# KiCad board jetson-orin-baseboard.kicad_pcb
title: Jetson Orin Baseboard; date: 2025-03-12; rev: 1.3.4; company: Antmicro Ltd; note: www.antmicro.com
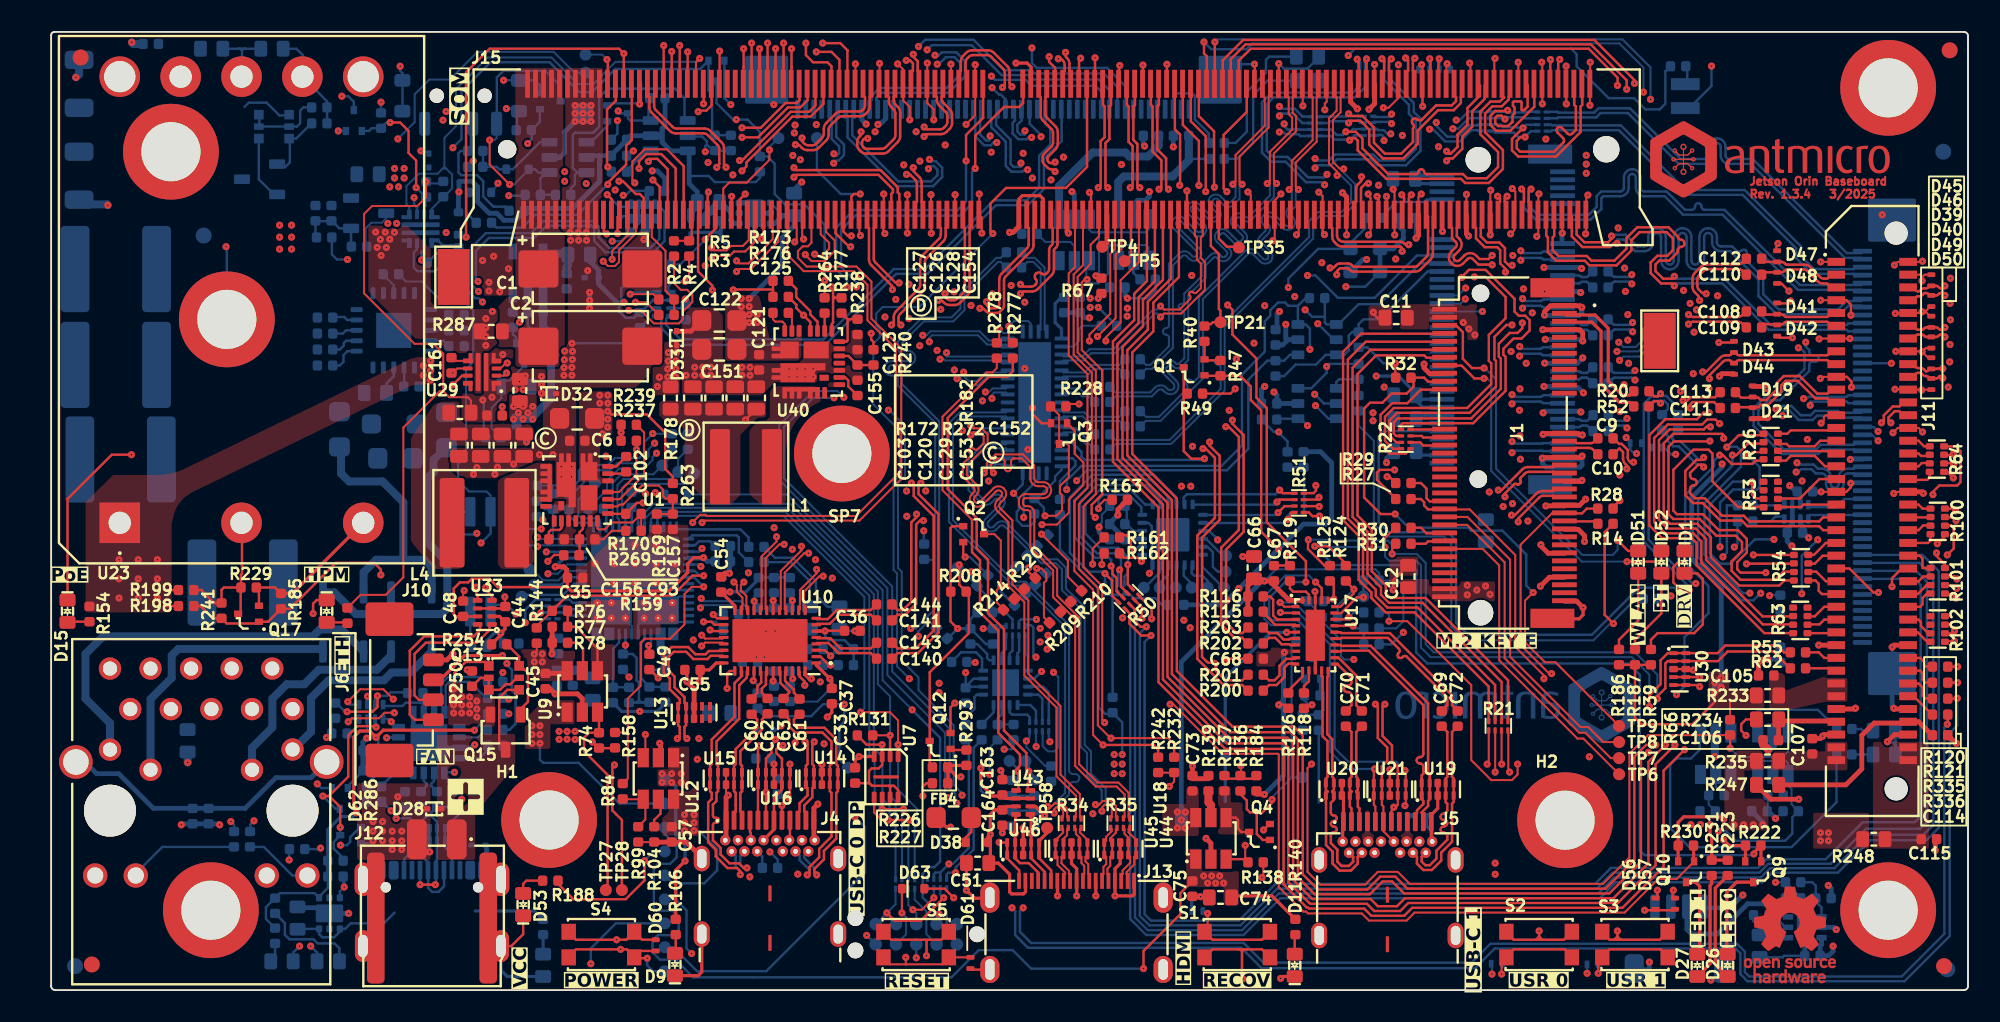
[diagram p0: board, top side]
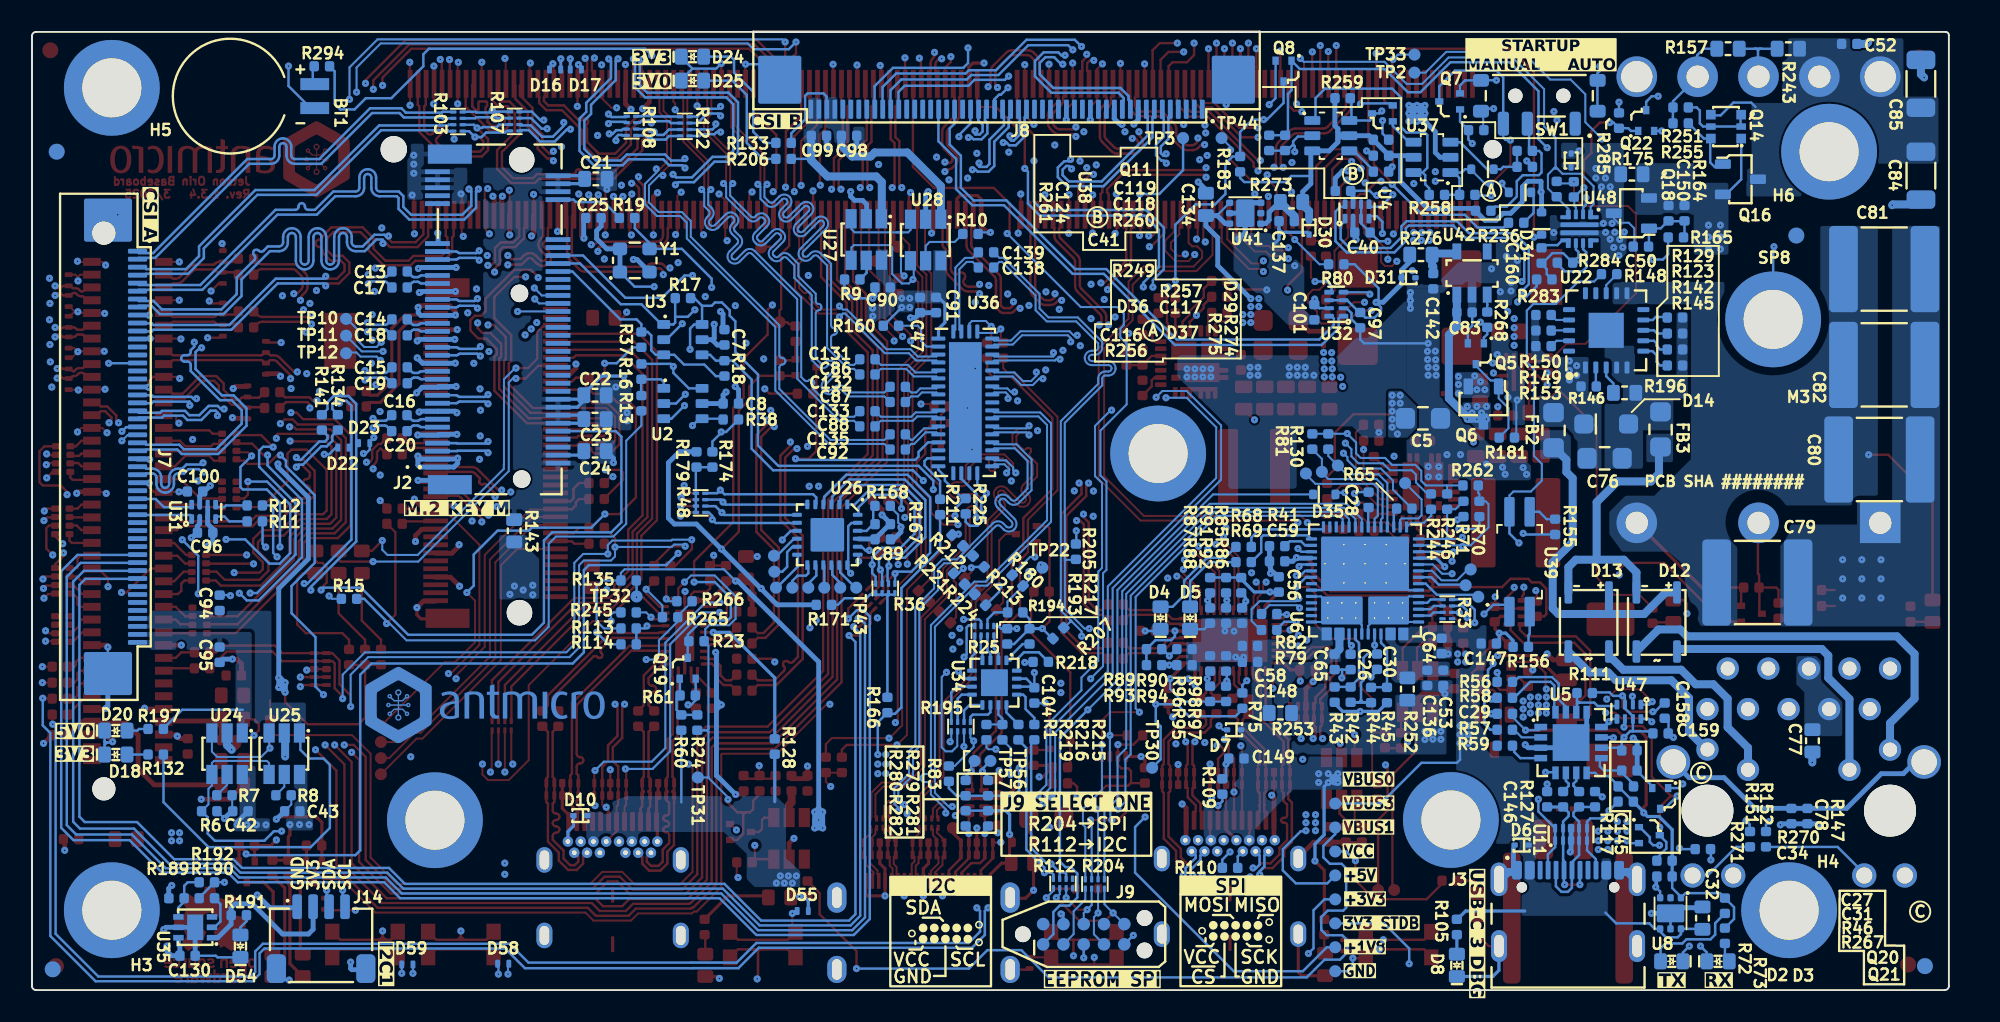
[diagram p1: board, bottom side, seen from below]

Outline 120 x 60 mm; copper layers: Top, In1.Cu, In2.Cu, In3.Cu, In4.Cu, In5.Cu, In6.Cu, Bottom. Coordinates in mm from the lower left corner of the outline.
Outline path: 0,59.8 arc(0.06,59.94) 0.2,60 119.75,60 arc(119.93,59.93) 120,59.75 120,0.25 arc(119.93,0.07) 119.75,0 0.25,0 arc(0.07,0.07) 0,0.25 0,59.8
Stack: Top 0.035mm / dielectric 0.12mm PR2116 er 4.3 / In1.Cu 0.035mm / dielectric 0.2mm FR4 er 4.39 / In2.Cu 0.035mm / dielectric 0.12mm PR2116 er 4.39 / dielectric 0.12mm PR2116 er 4.39 / In3.Cu 0.035mm / dielectric 0.2mm FR4 er 4.39 / In4.Cu 0.035mm / dielectric 0.12mm PR2116 er 4.39 / dielectric 0.12mm PR2116 er 4.39 / In5.Cu 0.035mm / dielectric 0.2mm FR4 er 4.39 / In6.Cu 0.035mm / dielectric 0.12mm PR2116 er 4.3 / Bottom 0.035mm

## Placement (name value [footprint] x y rotation side)
A2  -  [Mech_M2_2242_H2.5mm]  49.5 33.6 90 top  (not fitted)
BT1  Battery_Holder_MS621FE-FL11E  [MS621FE-FL11E]  106.35 55.98 270 bottom
C1  C_Pol_100u_25V_KEMET-T521-D-107  [C_Pol_EIA-X]  33.76 45.16 0 top
C2  C_Pol_100u_25V_KEMET-T521-D-107  [C_Pol_EIA-X]  33.76 40.32 0 top
C5  C_22u_25V_0805  [C_0805_2012Metric]  32.92 35.8 0 bottom
C6  C_100n_0402  [C_0402_1005Metric]  32.94 34.4 180 top
C7  C_100n_0402  [C_0402_1005Metric]  76.65 40.88 90 bottom
C8  C_100n_0402  [C_0402_1005Metric]  76.25 36.73 180 bottom
C9  C_220n_0402  [C_0402_1005Metric]  97.3 34.55 180 top
C10  C_220n_0402  [C_0402_1005Metric]  97.3 33.55 180 top
C11  C_10u_0603  [C_0603_1608Metric]  84.2 42.1 180 top
C12  C_10u_0603  [C_0603_1608Metric]  84.95 25.9 90 top
C13  C_220n_0402  [C_0402_1005Metric]  96.98 45 0 bottom
C14  C_220n_0402  [C_0402_1005Metric]  96.98 42 0 bottom
C15  C_220n_0402  [C_0402_1005Metric]  96.98 39 0 bottom
C16  C_220n_0402  [C_0402_1005Metric]  97 36 0 bottom
C17  C_220n_0402  [C_0402_1005Metric]  96.98 44 0 bottom
C18  C_220n_0402  [C_0402_1005Metric]  96.98 41 0 bottom
C19  C_220n_0402  [C_0402_1005Metric]  96.98 38 0 bottom
C20  C_220n_0402  [C_0402_1005Metric]  97 35 0 bottom
C21  C_10u_0603  [C_0603_1608Metric]  84.7 50.8 180 bottom
C22  C_10u_0603  [C_0603_1608Metric]  84.75 37.25 180 bottom
C23  C_10u_0603  [C_0603_1608Metric]  84.75 35.75 180 bottom
C24  C_10u_0603  [C_0603_1608Metric]  84.75 33.75 180 bottom
C25  C_100n_0402  [C_0402_1005Metric]  84.85 48.35 0 bottom
C26  C_100n_0402  [C_0402_1005Metric]  37.45 20.55 270 bottom
C27  C_100n_0402  [C_0402_1005Metric]  20 15 180 bottom
C28  C_10u_0402  [C_0402_1005Metric]  36.33 30.7 270 bottom
C29  C_100n_0402  [C_0402_1005Metric]  27.8 17.3 0 bottom
C30  C_10u_0402  [C_0402_1005Metric]  35.8 20.56 90 bottom
C31  C_100n_0402  [C_0402_1005Metric]  20 13.75 180 bottom
C32  C_10u_25V_0603  [C_0603_1608Metric]  15.42 4.5 90 bottom
C33  C_100n_0402  [C_0402_1005Metric]  50.33 13.44 270 top
C34  C_10u_0402  [C_0402_1005Metric]  17.8 7.11 180 bottom
C35  C_10u_0402  [C_0402_1005Metric]  32.8 25.83 180 top
C36  C_100n_0402  [C_0402_1005Metric]  50.15 22.5 0 top
C37  C_100n_0402  [C_0402_1005Metric]  48.87 18.41 270 top
C40  C_100n_0402  [C_0402_1005Metric]  36.71 47.44 180 bottom
C41  C_100n_0402  [C_0402_1005Metric]  37.93 50.04 180 bottom
C42  C_100n_0402  [C_0402_1005Metric]  106.95 11.2 0 bottom
C43  C_100n_0402  [C_0402_1005Metric]  103.7 11.2 0 bottom
C44  C_100n_0402  [C_0402_1005Metric]  28.43 23.54 90 top
C45  C_100n_0402  [C_0402_1005Metric]  30.95 19.35 270 top
C47  C_1u_0402  [C_0402_1005Metric]  64.4 42.9 90 bottom
C48  C_100n_0402  [C_0402_1005Metric]  25.79 23.88 270 top
C49  C_10u_0402  [C_0402_1005Metric]  37.45 20.55 90 top
C50  C_100n_0402  [C_0402_1005Metric]  19.28 46.56 0 bottom
C51  C_10u_0603  [C_0603_1608Metric]  58 7.95 180 top
C52  C_100n_0402  [C_0402_1005Metric]  6.23 59.25 180 bottom
C53  C_100n_0402  [C_0402_1005Metric]  31.65 19.55 270 bottom
C54  C_100n_0402  [C_0402_1005Metric]  41.95 25.4 90 top
C55  C_100n_0402  [C_0402_1005Metric]  40.15 20.05 180 top
C56  C_10u_0402  [C_0402_1005Metric]  41.95 25.4 270 bottom
C57  C_100n_0402  [C_0402_1005Metric]  38.85 9.75 270 top
C58  C_100n_0402  [C_0402_1005Metric]  43.75 21.55 0 bottom
C59  C_10u_0402  [C_0402_1005Metric]  42.05 26.85 0 bottom
C60  C_100n_0402  [C_0402_1005Metric]  43.85 17.75 270 top
C61  C_100n_0402  [C_0402_1005Metric]  46.85 17.75 270 top
C62  C_100n_0402  [C_0402_1005Metric]  44.85 17.78 270 top
C63  C_100n_0402  [C_0402_1005Metric]  45.85 17.78 270 top
C64  C_100n_0402  [C_0402_1005Metric]  31.75 21.55 270 bottom
C65  C_100n_0402  [C_0402_1005Metric]  38.45 20.55 270 bottom
C66  C_10u_0603  [C_0603_1608Metric]  75.3 26.45 90 top
C67  C_100n_0402  [C_0402_1005Metric]  76.55 26.1 90 top
C68  C_100n_0402  [C_0402_1005Metric]  75.4 20.75 180 top
C69  C_100n_0402  [C_0402_1005Metric]  87.05 17 90 top
C70  C_100n_0402  [C_0402_1005Metric]  81.05 17 90 top
C71  C_100n_0402  [C_0402_1005Metric]  82.05 17 90 top
C72  C_100n_0402  [C_0402_1005Metric]  88.05 17 90 top
C73  C_100n_0402  [C_0402_1005Metric]  71.45 12.95 90 top
C74  C_10u_0603  [C_0603_1608Metric]  73.2 5.8 180 top
C75  C_100n_0402  [C_0402_1005Metric]  71.45 6.35 270 top
C76  C_100n_100V_0805  [C_0805_2012Metric]  21.55 33.3 0 bottom
C77  C_10n_0603  [C_0603_1608Metric]  8.54 15.61 90 bottom
C78  C_100n_0402  [C_0402_1005Metric]  9.86 10.89 270 bottom
C79  C_22u_100V_2220  [C_2220_5650Metric]  11.99 25.52 180 bottom
C80  C_22u_100V_2220  [C_2220_5650Metric]  4.35 33.22 180 bottom
C81  C_22u_100V_2220  [C_2220_5650Metric]  4.05 45.15 180 bottom
C82  C_22u_100V_2220  [C_2220_5650Metric]  4.05 39.15 180 bottom
C83  C_10u_0402  [C_0402_1005Metric]  30.32 42.44 180 bottom
C84  C_47u_16V_1206  [C_1206_3216Metric]  1.75 51 90 bottom
C85  C_47u_16V_1206  [C_1206_3216Metric]  1.75 56.75 270 bottom
C86  C_100n_0402  [C_0402_1005Metric]  67.7 38.55 0 bottom
C87  C_100n_0402  [C_0402_1005Metric]  65.8 36.83 0 bottom
C88  C_100n_0402  [C_0402_1005Metric]  67.7 35.3 0 bottom
C89  C_100n_0402  [C_0402_1005Metric]  66.74 28.22 0 bottom
C90  C_100n_0402  [C_0402_1005Metric]  66.75 44 0 bottom
C91  C_100n_0402  [C_0402_1005Metric]  63.4 42.9 270 bottom
C92  C_100n_0402  [C_0402_1005Metric]  65.8 33.85 0 bottom
C93  C_1u_0402  [C_0402_1005Metric]  33.56 28.23 180 top
C94  C_1u_0402  [C_0402_1005Metric]  108.25 24.25 270 bottom
C95  C_1u_0402  [C_0402_1005Metric]  108.25 21 90 bottom
C96  C_100n_0402  [C_0402_1005Metric]  109.16 28.64 180 bottom
C97  C_100n_0402  [C_0402_1005Metric]  36.85 41.95 90 bottom
C98  C_1u_0402  [C_0402_1005Metric]  68.85 53.5 0 bottom
C99  C_1u_0402  [C_0402_1005Metric]  70.73 53.5 0 bottom
C100  C_100n_0402  [C_0402_1005Metric]  109.79 31.22 180 bottom
C101  C_100n_0402  [C_0402_1005Metric]  39.72 42.45 90 bottom
C102  C_100n_0402  [C_0402_1005Metric]  36 32.93 270 top
C103  C_22u_16V_0603  [C_0603_1608Metric_EIA]  25.53 34.12 90 top
C104  C_100n_0402  [C_0402_1005Metric]  57.25 18.45 90 bottom
C105  C_1u_0402  [C_0402_1005Metric]  107.37 19.7 0 top
C106  C_1u_0402  [C_0402_1005Metric]  107.65 15.65 0 top
C107  C_1u_0402  [C_0402_1005Metric]  110.25 15.27 270 top
C108  C_220n_0402  [C_0402_1005Metric]  106.6 42.5 180 top
C109  C_220n_0402  [C_0402_1005Metric]  106.6 41.5 180 top
C110  C_220n_0402  [C_0402_1005Metric]  106.6 44.8 180 top
C111  C_100n_0402  [C_0402_1005Metric]  104.96 36.45 180 top
C112  C_220n_0402  [C_0402_1005Metric]  106.6 45.8 180 top
C113  C_100n_0402  [C_0402_1005Metric]  104.96 37.44 180 top
C114  C_1u_0402  [C_0402_1005Metric]  118.25 15.96 0 top
C115  C_1u_0402  [C_0402_1005Metric]  117.55 9.45 0 top
C116  C_10u_0402  [C_0402_1005Metric]  30.15 49.8 0 bottom
C117  C_10u_0402  [C_0402_1005Metric]  26.55 51.55 0 bottom
C118  C_100n_0402  [C_0402_1005Metric]  35.55 52.25 180 bottom
C119  C_100n_0402  [C_0402_1005Metric]  35.55 53.25 0 bottom
C120  C_22u_16V_0603  [C_0603_1608Metric_EIA]  26.89 34.12 90 top
C121  C_100n_0402  [C_0402_1005Metric]  44.32 39.31 270 top
C122  C_22u_25V_0805  [C_0805_2012Metric]  41.83 41.93 0 top
C123  C_1u_0402  [C_0402_1005Metric]  50.48 39.62 270 top
C124  C_100n_0402  [C_0402_1005Metric]  41.55 53.05 90 bottom
C125  C_100n_0402  [C_0402_1005Metric]  45.67 42.41 0 top
C126  C_22u_16V_0603  [C_0603_1608Metric_EIA]  41.5 37.08 270 top
C127  C_22u_16V_0603  [C_0603_1608Metric_EIA]  40.17 37.08 270 top
C128  C_22u_16V_0603  [C_0603_1608Metric_EIA]  42.83 37.08 270 top
C129  C_22u_16V_0603  [C_0603_1608Metric_EIA]  28.25 34.12 90 top
C130  C_100n_0402  [C_0402_1005Metric]  110.26 2.15 180 bottom
C131  C_100n_0402  [C_0402_1005Metric]  67.7 39.5 0 bottom
C132  C_100n_0402  [C_0402_1005Metric]  65.8 37.78 0 bottom
C133  C_100n_0402  [C_0402_1005Metric]  67.7 36.25 0 bottom
C134  C_10u_25V_0603  [C_0603_1608Metric]  46.51 49.2 270 bottom
C135  C_100n_0402  [C_0402_1005Metric]  65.8 34.8 0 bottom
C136  C_4u7_25V_0402  [C_0402_1005Metric]  32.65 19.55 270 bottom
C137  C_10u_0402  [C_0402_1005Metric]  41.45 48.15 180 bottom
C138  C_100n_0402  [C_0402_1005Metric]  60.28 45.25 0 bottom
C139  C_100n_0402  [C_0402_1005Metric]  60.28 46.2 0 bottom
C140  C_100n_0402  [C_0402_1005Metric]  52.15 20.75 180 top
C141  C_100n_0402  [C_0402_1005Metric]  52.15 23.15 180 top
C142  C_1u_0402  [C_0402_1005Metric]  32.28 44.39 90 bottom
C143  C_100n_0402  [C_0402_1005Metric]  52.15 21.75 180 top
C144  C_100n_0402  [C_0402_1005Metric]  52.15 24.15 180 top
C145  C_47p_0402  [C_0402_1005Metric]  22.15 11.95 270 bottom
C146  C_47p_0402  [C_0402_1005Metric]  25.15 11.95 90 bottom
C147  C_1u_25V_0402  [C_0402_1005Metric]  28.8 21.7 180 bottom
C148  C_4u7_25V_0402  [C_0402_1005Metric]  43.75 20.55 0 bottom
C149  C_1u_25V_0402  [C_0402_1005Metric]  44.6 14.5 180 bottom
C150  C_1u_25V_0402  [C_0402_1005Metric]  17.55 48.65 90 bottom
C151  C_22u_25V_0805  [C_0805_2012Metric]  41.83 40.12 0 top
C152  C_22u_25V_0805  [C_0805_2012Metric]  32.93 35.8 0 top
C153  C_22u_16V_0603  [C_0603_1608Metric_EIA]  29.61 34.12 90 top
C154  C_22u_16V_0603  [C_0603_1608Metric_EIA]  44.14 37.08 270 top
C155  C_4u7_25V_0402  [C_0402_1005Metric]  50.48 37.71 270 top
C156  C_4u7_25V_0402  [C_0402_1005Metric]  31.64 28.23 180 top
C157  C_100n_0402  [C_0402_1005Metric]  38.92 29.33 270 top
C158  C_100n_0402  [C_0402_1005Metric]  17.79 17.5 270 bottom
C159  C_100n_0402  [C_0402_1005Metric]  18.05 16.07 180 bottom
C160  C_1n_0402  [C_0402_1005Metric]  25.5 46 90 bottom
C161  C_1n_16V_X7R_0402  [C_0402_1005Metric]  25.06 39.12 90 top
C163  C_100n_0402  [C_0402_1005Metric]  59.55 12.7 270 top
C164  C_100n_0402  [C_0402_1005Metric]  59.55 10.8 90 top
D1  LED_G_0603_LTST-C190GKT  [LED_0603_1608Metric_G]  102.25 26.8 270 top
D2  LED_G_0603_LTST-C190GKT  [LED_0603_1608Metric_G]  17.35 1.8 0 bottom
D3  LED_G_0603_LTST-C190GKT  [LED_0603_1608Metric_G]  14.45 1.8 180 bottom
D4  LED_G_0603_LTST-C190GKT  [LED_0603_1608Metric_G]  49.35 23.3 90 bottom
D5  LED_G_0603_LTST-C190GKT  [LED_0603_1608Metric_G]  47.5 23.3 90 bottom
D6  DF2S30FS_SOD  [SOD-923]  26.75 9.08 0 bottom
D7  DF2S30FS_SOD  [SOD-923]  44.75 16.3 0 bottom
D8  LED_G_0603_LTST-C190GKT  [LED_0603_1608Metric_G]  30.8 1.55 90 bottom
D9  LED_G_0603_LTST-C190GKT  [LED_0603_1608Metric_G]  39.05 1.6 90 top
D10  ESD9X5.0ST5G  [SOD-923]  85.67 10.92 0 bottom
D11  LED_G_0603_LTST-C190GKT  [LED_0603_1608Metric_G]  77.85 1.55 90 top
D12  CD-MMBL110S  [DFN3538]  18.29 23.05 180 bottom
D13  CD-MMBL110S  [DFN3538]  22.55 23.05 180 bottom
D14  PTVS58VS1UR,115  [D_SOD-123F]  21.45 35.45 180 bottom
D15  LED_G_0603_LTST-C190GKT  [LED_0603_1608Metric_G]  1.02 23.72 270 top
D16  TPD1E0B04_XDFN-2  [XDFN-2_1x0.60mm]  87.25 57.65 0 bottom
D17  TPD1E0B04_XDFN-2  [XDFN-2_1x0.60mm]  85.95 57.65 180 bottom
D18  LED_G_0603_LTST-C190GKT  [LED_0603_1608Metric_G]  114.75 14.75 180 bottom
D19  TPD1E0B04_XDFN-2  [XDFN-2_1x0.60mm]  106.52 37.49 90 top
D20  LED_G_0603_LTST-C190GKT  [LED_0603_1608Metric_G]  114.75 16.25 180 bottom
D21  TPD1E0B04_XDFN-2  [XDFN-2_1x0.60mm]  106.52 36.12 270 top
D22  TPD1E0B04_XDFN-2  [XDFN-2_1x0.60mm]  100.5 33.97 0 bottom
D23  TPD1E0B04_XDFN-2  [XDFN-2_1x0.60mm]  99.2 34.25 180 bottom
D24  LED_G_0603_LTST-C190GKT  [LED_0603_1608Metric_G]  78.65 58.45 180 bottom
D25  LED_G_0603_LTST-C190GKT  [LED_0603_1608Metric_G]  78.65 56.95 180 bottom
D26  LED_G_0603_LTST-C190GKT  [LED_0603_1608Metric_G]  104.95 1.55 270 top
D27  LED_G_0603_LTST-C190GKT  [LED_0603_1608Metric_G]  103.05 1.55 270 top
D28  DF2S30FS_SOD  [SOD-923]  23.98 11.35 180 top
D29  DF2S30FS_SOD  [SOD-923]  23.65 51.95 90 bottom
D30  ESD9X5.0ST5G  [SOD-923]  40.05 47.75 270 bottom
D31  ESD9X5.0ST5G  [SOD-923]  33.83 44.61 180 bottom
D32  ESD9X5.0ST5G  [SOD-923]  31.17 37.35 0 top
D33  ESD9X5.0ST5G  [SOD-923]  39.15 40.83 90 top
D34  RB521S30T1G  [SOD-523]  25.5 48 90 bottom
D35  RB521S30T1G  [SOD-523]  39.1 31.04 180 bottom
D36  RB521S30T1G  [SOD-523]  29.2 51.4 0 bottom
D37  RB521S30T1G  [SOD-523]  26.85 49.95 0 bottom
D38  RB521S30T1G  [SOD-523]  57.95 9.25 180 top
D39  TPD1E0B04_XDFN-2  [XDFN-2_1x0.60mm]  117.7 41.85 90 top
D40  TPD1E0B04_XDFN-2  [XDFN-2_1x0.60mm]  117.7 40.55 270 top
D41  TPD1E0B04_XDFN-2  [XDFN-2_1x0.60mm]  108.05 42.68 90 top
D42  TPD1E0B04_XDFN-2  [XDFN-2_1x0.60mm]  108.05 41.3 270 top
D43  TPD1E0B04_XDFN-2  [XDFN-2_1x0.60mm]  105.35 40.28 90 top
D44  TPD1E0B04_XDFN-2  [XDFN-2_1x0.60mm]  105.35 38.91 270 top
D45  TPD1E0B04_XDFN-2  [XDFN-2_1x0.60mm]  117.7 44.45 90 top
D46  TPD1E0B04_XDFN-2  [XDFN-2_1x0.60mm]  117.7 43.15 270 top
D47  TPD1E0B04_XDFN-2  [XDFN-2_1x0.60mm]  108.05 45.95 90 top
D48  TPD1E0B04_XDFN-2  [XDFN-2_1x0.60mm]  108.05 44.6 270 top
D49  TPD1E0B04_XDFN-2  [XDFN-2_1x0.60mm]  117.7 39.25 90 top
D50  TPD1E0B04_XDFN-2  [XDFN-2_1x0.60mm]  117.7 37.95 270 top
D51  LED_G_0603_LTST-C190GKT  [LED_0603_1608Metric_G]  99.35 26.8 270 top
D52  LED_G_0603_LTST-C190GKT  [LED_0603_1608Metric_G]  100.8 26.8 270 top
D53  LED_G_0603_LTST-C190GKT  [LED_0603_1608Metric_G]  29.55 5.35 90 top
D54  LED_G_0603_LTST-C190GKT  [LED_0603_1608Metric_G]  106.95 2.75 90 bottom
D55  TPD1E0B04_XDFN-2  [XDFN-2_1x0.60mm]  71.75 4.95 0 bottom
D56  TPD1E0B04_XDFN-2  [XDFN-2_1x0.60mm]  100.44 5.41 90 top
D57  TPD1E0B04_XDFN-2  [XDFN-2_1x0.60mm]  101.65 5.41 90 top
D58  TPD1E0B04_XDFN-2  [XDFN-2_1x0.60mm]  90.5 1.65 0 bottom
D59  TPD1E0B04_XDFN-2  [XDFN-2_1x0.60mm]  96.5 1.6 0 bottom
D60  TPD1E0B04_XDFN-2  [XDFN-2_1x0.60mm]  37.85 2.8 90 top
D61  TPD1E0B04_XDFN-2  [XDFN-2_1x0.60mm]  57.55 1.7 90 top
D62  LED_G_0603_LTST-C190GKT  [LED_0603_1608Metric_G]  17.25 23.72 270 top
D63  RB521S30T1G  [SOD-523]  53.96 6.35 0 top
FB2  FB_220Z_2A_Murata-BLM21PG_0805  [FB_0805_2012Metric]  24.75 35.06 90 bottom
FB3  FB_220Z_2A_Murata-BLM21PG_0805  [FB_0805_2012Metric]  18.05 35.11 90 bottom
FB4  FB_220Z_2A_Murata-BLM21PG_0805  [FB_0805_2012Metric]  56.5 10.8 0 top
FID1  -  [Fiducial_1mm_Mask2mm]  2.55 1.6 0 top
FID2  -  [Fiducial_1mm_Mask2mm]  1.85 58.4 0 top
FID3  -  [Fiducial_1mm_Mask2mm]  118.85 58.85 0 top
FID4  -  [Fiducial_1mm_Mask2mm]  118.5 1.5 0 top
FID5  -  [Fiducial_1mm_Mask2mm]  1.5 1.5 180 bottom
FID6  -  [Fiducial_1mm_Mask2mm]  9.55 47.25 180 bottom
FID7  -  [Fiducial_1mm_Mask2mm]  118.45 52.5 180 bottom
FID8  -  [Fiducial_1mm_Mask2mm]  118.7 1.3 180 bottom
H1  -  [Spacer_Drill3.7mm_H6.5mm_9774065151R]  31.17 10.65 0 top
H2  -  [Spacer_Drill3.7mm_H6.5mm_9774065151R]  94.78 10.64 0 top
H3  -  [Spacer_Drill3.7mm_H6.5mm_9774065151R]  115 5 180 bottom
H4  -  [Spacer_Drill3.7mm_H6.5mm_9774065151R]  10 5 180 bottom
H5  -  [Spacer_Drill3.7mm_H6.5mm_9774065151R]  115 56.5 180 bottom
H6  -  [Spacer_Drill3.7mm_H6.5mm_9774065151R]  7.5 52.5 180 bottom
J1  Bus_M.2_2199230-6  [Bus_M.2_Socket_Key_E_TE_2199230-6]  90.98 33.63 270 top
J2  Bus_M.2_1-2199230-6  [Bus_M.2_Socket_Key_M_TE_1-2199230-6]  90.84 42 90 bottom
J3  USB-C_GCT_USB4105-GF-A  [USB-C_Receptacle_GCT_USB4105-GF-A]  23.84 4.01 180 bottom
J4  USB-C_WE_632723300011  [USB-C_Receptacle_WE_632723300011]  45 5 0 top
J5  USB-C_WE_632723300011  [USB-C_Receptacle_WE_632723300011]  83.65 4.92 0 top
J6  Bus_RJ45_5-2337992-8  [RJ45_X-2337992-8_Horizontal]  3.69 20.13 0 top
J7  Conn_FFC_WE_68715014522  [Conn_FFC_WE_68715014x22]  115.54 34.02 270 bottom
J8  Conn_FFC_WE_68715014522  [Conn_FFC_WE_68715014x22]  58.99 57.31 0 bottom
J9  -  [Tag-Connect_TC2050-IDC-NL_2x5_P1.27mm]  54.16 3.5 180 bottom  (not fitted)
J10  Molex_PicoBlade_1x4_0533980471  [Conn_Molex_PicoBlade_1x4_0533980471]  22.18 18.8 270 top
J11  Socket_Samtec_ERF8_2x40_ERF8-040-05.0-L-DV-K-TR  [Conn_Socket_Samtec_ERF8_2x40_ERF8-040-05.0-L-DV-K-TR]  114 30 270 top
J12  Molex_Nano-Fit_1x2_SMD_1054301202  [Conn_Molex_Nano-Fit_1x2_SMD_1054301202]  23.87 4.54 0 top
J13  HDMI-Mini-C_WE_685119136923  [HDMI-Mini-C_Receptacle_WE_685119136923]  64.19 3.44 0 top
J14  JST_SH_1x4_SM04B-SRSS-TB-LF-SN  [Conn_JST_SH_1x4_SM04B-SRSS-TB-LF-SN]  101.9 3.1 180 bottom
J15  Bus_DDR4_SODIMM_CUSTOM_Jetson-Orin-H9.2mm-socket  [TE_2309413]  62.96 44.73 0 top
L1  L_560n_17.7A_Bourns-SRP5030CA  [L_Bourns-SRP5030CA]  43.5 32.78 180 top
L4  L_1u_20A_Bourns-SRP6050CA  [L_Bourns-SRP6050CA]  27.12 29.27 180 top
M1  Jetson-Orin-NX-Nano  [Module_Jetson-Orin-NX-Nano]  62.99 30.16 0 top  (not fitted)
M3  -  [Mech_M2_2280_H2.5mm]  10.99 41.97 270 bottom  (not fitted)
Q1  PJE138K  [SOT-523]  71.55 39 90 top
Q2  PJE138K  [SOT-523]  57.75 28.55 270 top
Q3  PJE138K  [SOT-523]  63.1 34.85 180 top  (not fitted)
Q4  PJE138K  [SOT-523]  75.65 9.9 90 top
Q5  PJE138K  [SOT-523]  29.61 39.85 0 bottom
Q6  SSM3J332R  [SOT-23-3]  29.14 36.7 270 bottom
Q7  PJE138K  [SOT-523]  31.25 55.65 90 bottom
Q8  PJE138K  [SOT-523]  41.65 57.55 0 bottom
Q9  PJE138K  [SOT-523]  106.55 7.41 180 top
Q10  PJE138K  [SOT-523]  102.35 7.41 180 top
Q11  PJE138K  [SOT-523]  35.46 54.9 90 bottom
Q12  PJE138K  [SOT-523]  55.65 15.6 90 top  (not fitted)
Q13  BCM857BS-7-F  [SOT-363]  28.35 19.55 0 top
Q14  BCM857BS-7-F  [SOT-363]  13.95 54.08 0 bottom
Q15  SSM3J332R  [SOT-23-3]  28.45 16.15 270 top
Q16  SSM3J332R  [SOT-23-3]  13.05 50.78 180 bottom
Q17  PJE138K  [SOT-523]  12.36 23.56 90 top
Q18  SSM3J332R  [SOT-23-3]  19.88 48.65 0 bottom
Q19  PJE138K  [SOT-523]  78.95 20.15 180 bottom
Q20  PJE138K  [SOT-523]  18.08 12 0 bottom
Q21  PJE138K  [SOT-523]  18.75 9.7 270 bottom
Q22  PJE138K  [SOT-523]  18.95 54.45 180 bottom
R1  R_0R_0402  [R_0402_1005Metric]  60.25 16.15 90 bottom
R2  R_0R_0402  [R_0402_1005Metric]  38.99 46.44 270 top
R3  R_0R_0402  [R_0402_1005Metric]  38.52 42.28 180 top
R4  R_0R_0402  [R_0402_1005Metric]  39.94 46.44 270 top  (not fitted)
R5  R_0R_0402  [R_0402_1005Metric]  38.52 43.25 180 top  (not fitted)
R6  R_100k_0402  [R_0402_1005Metric]  108.9 11.2 0 bottom
R7  R_4k7_0402  [R_0402_1005Metric]  107.95 12.2 0 bottom
R8  R_4k7_0402  [R_0402_1005Metric]  104.25 12.2 0 bottom
R9  R_4k7_0402  [R_0402_1005Metric]  68.65 44.5 180 bottom
R10  R_4k7_0402  [R_0402_1005Metric]  61.25 47.35 0 bottom
R11  R_0R_0402  [R_0402_1005Metric]  106.05 29.35 0 bottom
R12  R_0R_0402  [R_0402_1005Metric]  106.05 30.35 0 bottom
R13  R_0R_0402  [R_0402_1005Metric]  81.85 36.75 90 bottom
R14  R_0R_0402  [R_0402_1005Metric]  97.3 29.2 180 top
R15  R_0R_0402  [R_0402_1005Metric]  100.15 24.5 0 bottom
R16  R_0R_0402  [R_0402_1005Metric]  81.85 38.73 90 bottom
R17  R_0R_0402  [R_0402_1005Metric]  79.25 43.33 0 bottom
R18  R_0R_0402  [R_0402_1005Metric]  76.65 38.93 270 bottom
R19  R_0R_0402  [R_0402_1005Metric]  82.75 48.35 0 bottom
R20  R_0R_0402  [R_0402_1005Metric]  99.55 37.5 180 top
R21  R_4x0R_0201_array  [R_Array_4x0201_Panasonic_EXB18V]  90.6 16.55 0 top
R22  R_4x0R_0201_array  [R_Array_4x0201_Panasonic_EXB18V]  84.8 34.5 270 top
R23  R_0R_0402  [R_0402_1005Metric]  78.4 21.85 0 bottom  (not fitted)
R24  R_10k_0402  [R_0402_1005Metric]  78.35 16.75 270 bottom
R25  R_4x0R_0201_array  [R_Array_4x0201_Panasonic_EXB18V]  60.39 22.5 0 bottom
R26  R_4x330R_0402_array  [R_Array_4x0402]  107.65 34.04 90 top
R27  R_47k_0402  [R_0402_1005Metric]  84.65 30.75 0 top  (not fitted)
R28  R_47k_0402  [R_0402_1005Metric]  97.3 30.15 180 top  (not fitted)
R29  R_0R_0402  [R_0402_1005Metric]  84.65 31.75 180 top
R30  R_0R_0402  [R_0402_1005Metric]  84.65 28.95 180 top  (not fitted)
R31  R_0R_0402  [R_0402_1005Metric]  84.65 27.95 180 top  (not fitted)
R32  R_47k_0402  [R_0402_1005Metric]  84.65 38.35 180 top  (not fitted)
R33  R_4x0R_0201_array  [R_Array_4x0201_Panasonic_EXB18V]  31.4 23.85 270 bottom
R34  R_4x0R_0201_array  [R_Array_4x0201_Panasonic_EXB18V]  63.88 10.45 0 top
R35  R_4x0R_0201_array  [R_Array_4x0201_Panasonic_EXB18V]  66.92 10.45 0 top
R36  R_4x2k2_0201_array  [R_Array_4x0201_Panasonic_EXB18V]  66.58 25.15 0 bottom
R37  R_47k_0402  [R_0402_1005Metric]  81.85 40.73 90 bottom  (not fitted)
R38  R_47k_0402  [R_0402_1005Metric]  76.25 35.73 0 bottom  (not fitted)
R39  R_200R_0402  [R_0402_1005Metric]  100.15 20.85 270 top
R40  R_0R_0402  [R_0402_1005Metric]  72.2 41.1 90 top
R41  R_0R_0402  [R_0402_1005Metric]  42.05 27.8 180 bottom
R42  R_10k_0402  [R_0402_1005Metric]  37.45 18.5 90 bottom
R43  R_100k_0402  [R_0402_1005Metric]  38.45 18.5 90 bottom
R44  R_10k_0402  [R_0402_1005Metric]  36.17 18.47 90 bottom
R45  R_100k_0402  [R_0402_1005Metric]  35.17 18.47 90 bottom